# KiCad board Scopefun_v2.kicad_pcb (continued)
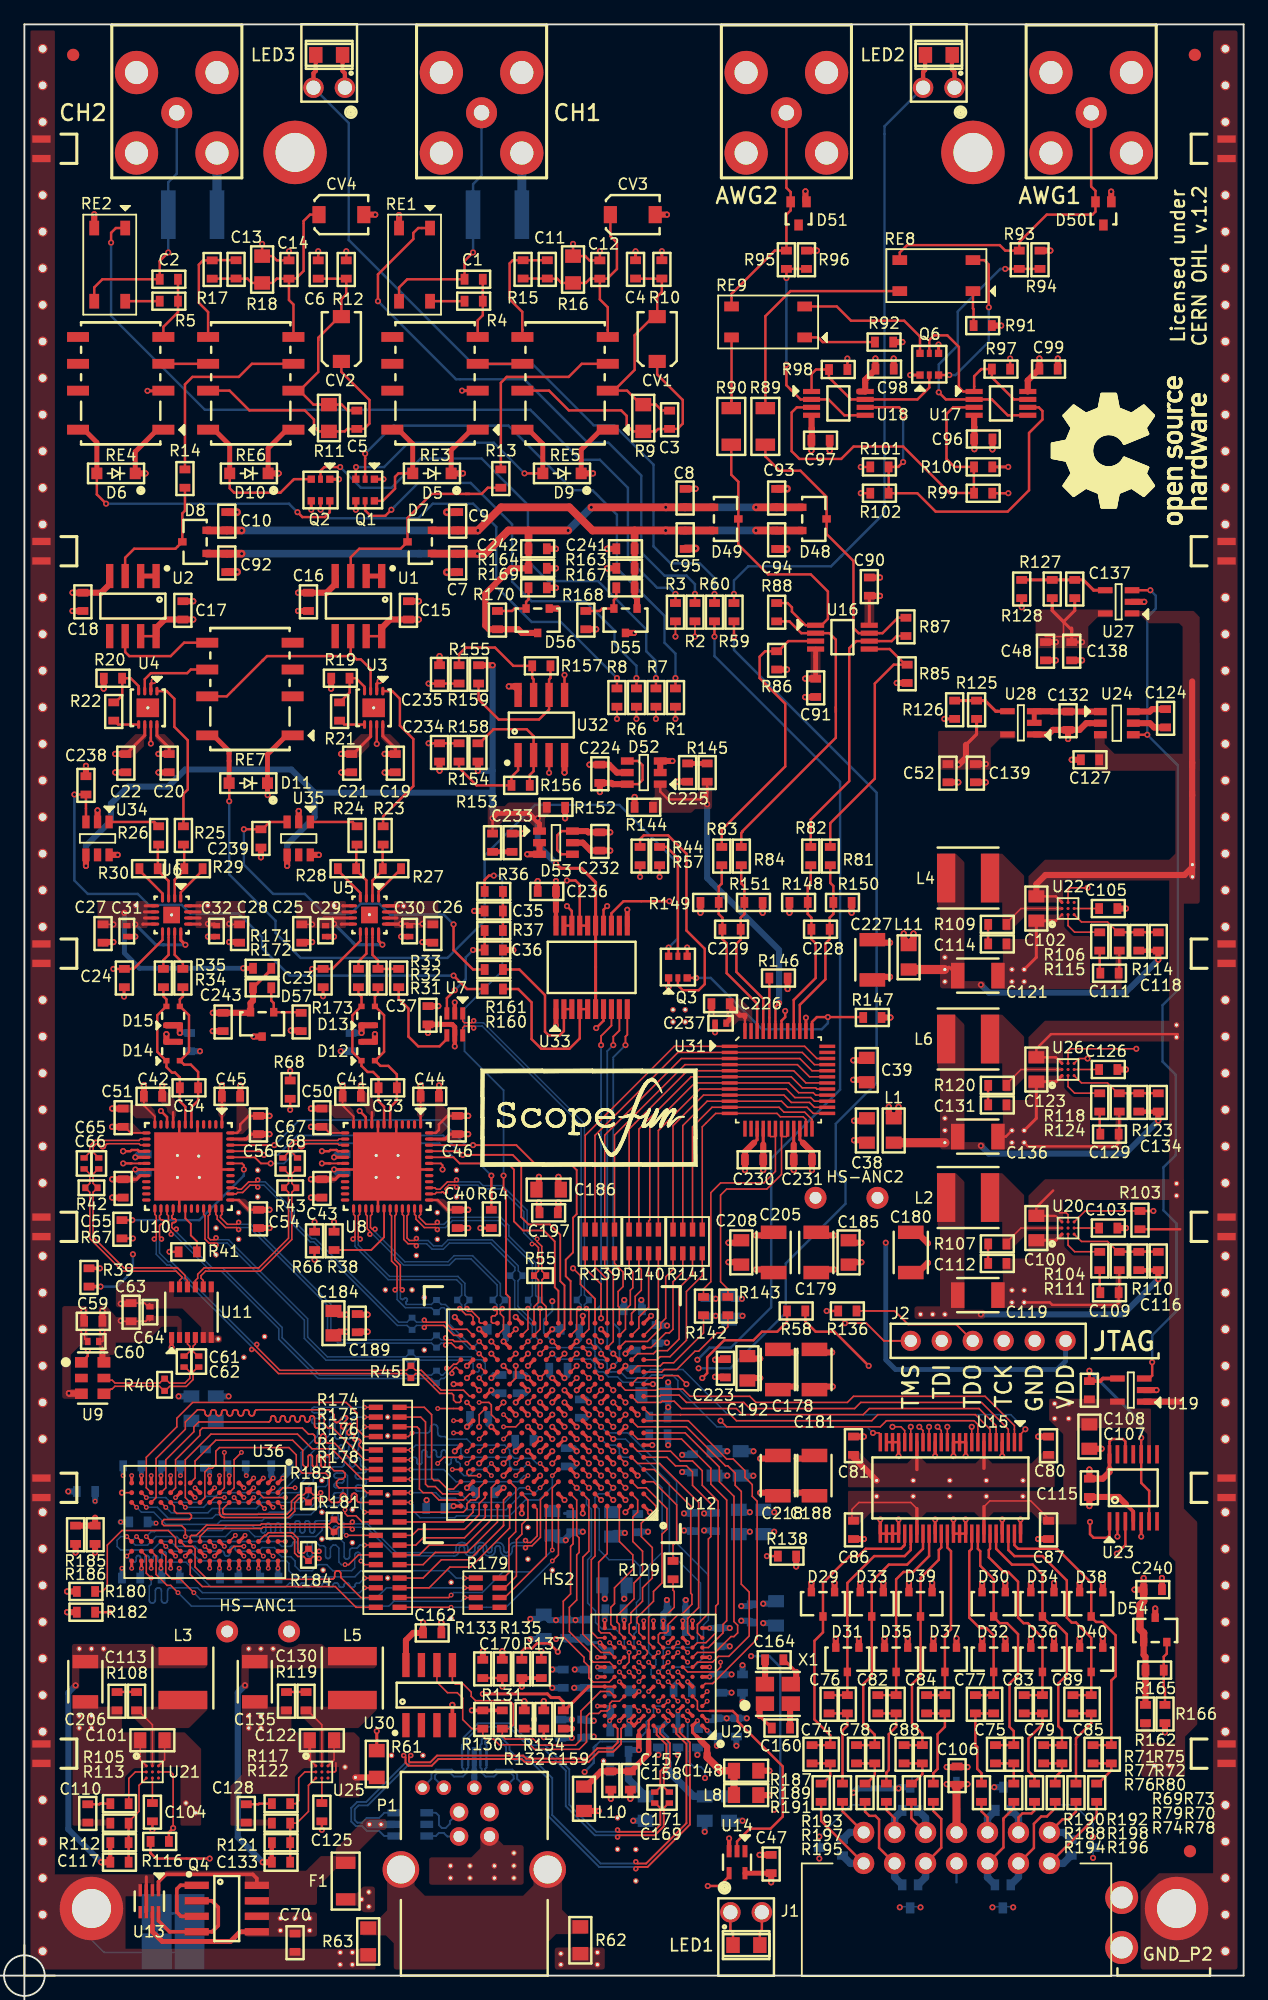
[diagram p0: board, top side]
## Routing (per net, layer and track width the routed paths; a pad name or vN(x,y) marks a point on that pad's centre or on a via; arc(x,y) is an arc through that point) (continued)
fdata[16]: length 18.7
  Top w0.127: U12.E2 50.3,42 52.1,42 55.3,38.8 55.3,30.18 54.42,29.3 54.4,29.3 54.4,28.1 U29.K2
fdata[17]: length 22.3
  Top w0.127: U29.J4 v2(53.6,27.3) ; U12.E6 v1(46.3,42)
  In2.Cu w0.127: v2(53.6,27.3) 53.2,27.7 53.2,28.5 53.5,28.8 53.5,39.3 50.3,42.5 46.8,42.5 v1(46.3,42)
fdata[18]: length 19.3
  Top w0.127: U12.E1 52.7,42.5 53.4,41.8 54.3,41.8 54.8,41.3 54.8,40.2 56.3,38.7 56.3,36 56.1,35.8 56.1,29.7 55.2,28.8 55.2,28.1 U29.K1
fdata[19]: length 23
  Top w0.127: U12.F2 50.3,43 53,43 53.8,42.2 54.8,42.2 55.6,41.4 55.6,40.2 56.9,38.9 56.9,30.5 56.7,30.3 56.7,28.1 55.9,27.3 55.2,27.3 U29.J2
fdata[20]: length 23.2
  Top w0.127: U29.J3 v2(54.4,26.5) ; U12.F4 v1(48.3,43)
  In2.Cu w0.127: v1(48.3,43) 48.6,43 49.1,43.5 50.8,43.5 55.3,39 55.3,28.9 54.8,28.4 54.8,26.9 v2(54.4,26.5)
fdata[21]: length 24.1
  Top w0.127: U12.G2 50.3,44 53.9,44 56.3,41.6 56.3,40.3 57.6,39 57.6,29.1 57.3,28.8 57.3,28.1 56.1,26.9 U29.J1
fdata[22]: length 26.1
  Top w0.127: U29.H2 55.2,26.5 56.66,26.5 57.96,27.8 58.2,27.8 58.5,28.1 58.5,28.73 58.2,29.03 58.2,39.3 57,40.5 57,41.7 54.2,44.5 U12.G1
fdata[23]: length 27.7
  Top w0.127: U12.F5 v1(47.3,43) ; U29.H3 v2(54.4,25.7)
  In2.Cu w0.127: v2(54.4,25.7) 55.6,26.9 55.6,28.6 56.3,29.3 56.3,40 54.3,42 53.3,42 52.1,43.2 52.1,43.6 51.7,44 49,44 48.5,43.5 47.8,43.5 v1(47.3,43)
fdata[24]: length 28.7
  Top w0.127: U12.H5 v1(47.3,45) ; U29.F4 v2(52.8,24.9)
  Bottom w0.127: v1(47.3,45) 47.8,44.5 48.5,44.5 ; 48.5,44.5 48.8,44.5 ; 48.5,44.5 49.5,44.5 53.5,40.5 53.5,35.45 56.1,32.85 56.1,29.15 55.7,28.75 55.7,26.1 54.9,25.3 53.2,25.3 v2(52.8,24.9)
fdata[25]: length 29.8
  Top w0.127: U12.H2 50.3,45 54.3,45 57.5,41.8 57.7,41.8 58.3,41.2 58.3,40.2 58.8,39.7 58.8,32.1 59.45,31.45 59.45,27.85 57.78,26.18 56.92,26.18 56.44,25.7 55.2,25.7 U29.G2
fdata[26]: length 31.2
  Top w0.127: v2(57.1,25.7) 57.1,25.3 56.7,24.9 54.4,24.9 U29.G3 ; U12.J4 v1(48.3,46)
  In2.Cu w0.127: v2(57.1,25.7) 57.1,28.9 57.6,29.4 57.6,40 57.15,40.45 57.15,41.15 53.8,44.5 52.7,44.5 52.2,45 50,45 49.5,45.5 48.8,45.5 v1(48.3,46)
fdata[27]: length 29.2
  Top w0.127: U12.H4 v1(48.3,45) ; U29.F3 v2(53.6,24.9)
  In2.Cu w0.127: v1(48.3,45) 48.8,44.5 51.9,44.5 52.4,44 53.1,44 53.8,43.3 54.2,43.3 56.9,40.6 56.9,29.1 56.7,28.9 56.7,28.1 56.3,27.7 56.3,27 55.6,26.3 55.6,26.1 54.7,25.2 53.9,25.2 v2(53.6,24.9)
fdata[28]: length 26.6
  Top w0.127: v1(48.3,44) U12.G4 ; U29.F5 v2(52,24.9)
  Bottom w0.127: v2(52,24.9) 52.4,25.3 52.4,26.7 52.6,26.9 54.8,26.9 55.2,27.3 55.2,28.75 55.45,29 55.45,32.2 52.9,34.75 52.9,40.4 49.3,44 v1(48.3,44)
fdata[29]: length 30.3
  Top w0.127: U29.E1 55.85,23.95 56.45,23.95 60.1,27.6 60.1,38.9 59.7,39.3 59.7,40.26 59.1,40.86 59.1,41.4 58.14,42.36 57.6,42.36 54.46,45.5 U12.H1
fdata[30]: length 25.2
  Top w0.127: U12.G5 v1(47.3,44) ; U29.E5 v2(52,24.1)
  Bottom w0.127: v1(47.3,44) 47.8,43.5 48.5,43.5 48.8,43.2 48.8,42.8 49.1,42.5 49.8,42.5 52.3,40 52.3,34.7 51.2,33.6 51.2,26.5 51.8,25.9 51.8,25.5 51.4,25.1 51.4,24.7 v2(52,24.1)
fdata[31]: length 34
  Top w0.127: U29.E4 v2(52.8,24.1) ; U12.H3 v1(49.3,46)
  In2.Cu w0.127: v1(49.3,46) 49.65,46 50.15,45.5 54.1,45.5 58.3,41.3 58.3,28.93 58.48,28.75 58.48,26.18 57.2,24.9 55.45,24.9 55.25,24.7 54.2,24.7 54,24.5 53.2,24.5 v2(52.8,24.1)
FLAGA: length 18.4
  Top w0.127: U12.D3 v1(49.3,41) ; U29.G7 v2(50.4,25.7)
  In2.Cu w0.127: v1(49.3,41) 49.3,40.68 49.58,40.4 49.6,40.4 51.8,38.2 51.8,36 51.2,35.4 51.2,31.9 50.9,31.6 50.9,29.8 51.2,29.5 51.2,28.8 50.86,28.46 50.86,26.16 v2(50.4,25.7)
FLAGB: length 21.8
  Top w0.127: U12.E5 v1(47.3,42) ; U29.G6 v2(51.2,25.7)
  In2.Cu w0.127: v2(51.2,25.7) 51.2,26.5 51.5,26.8 51.5,28.3 52,28.8 52,29.5 51.5,30 51.5,31.3 52,31.8 52,35.3 52.4,35.7 52.4,38.6 50.5,40.5 50.1,40.5 49.8,40.8 49.8,41.2 49.5,41.5 47.8,41.5 v1(47.3,42)
FLAGD: length 20.6
  Top w0.127: U29.G5 v2(52.8,25.7) ; U12.E3 v1(49.3,42)
  In2.Cu w0.127: v2(52.8,25.7) 52.4,26.1 52.4,28.4 52.9,28.9 52.9,29.5 52.1,30.3 52.1,31.1 53,32 53,39 50,42 v1(49.3,42)
INIT_B: length 39.8
  Top w0.127: v1(41.3,47) U12.K10 ; v2(54.4,22.5) 54,22.9 U29.D3
  Top w0.2: 42.4,26.55 R137.2
  In2.Cu w0.127: 54.4,22.5 v2(54.4,22.5) 54,22.9 44.9,22.9 43.5,24.3 43.1,24.3 42.7,24.7 42.7,25.7 42.4,26 v1(42.4,26.6) 42.4,30.1 42.7,30.4 42.7,37.4 43.8,38.5 43.8,39.5 44.3,40 44.3,42.7 43.5,43.5 42.1,43.5 41.8,43.8 41.8,46.5 v1(41.3,47)
IOUTA: length 15
  Top w0.2: 57.24,85.8 57.24,85 57.6,84.64 57.6,82.2 60.1,79.7 U31.46 ; 57.2,91.04 57.2,89.55 56.95,89.3 R149.1 56.95,87.05 57.25,86.75 C229.2
IOUTB: length 14.8
  Top w0.2: U31.39 63.6,79.6 65.7,81.7 65.7,84.64 66.06,85 66.06,85.8 ; C228.1 66.05,86.75 66.35,87.05 R150.1 66.35,89.35 66.1,89.6 66.1,91.04
LED[1]: length 19.1
  Top w0.127: U12.L4 v1(48.3,48)
  Top w0.2: v1(55.6,49) 56,49.4 56,50.7 57.4,52.1 59.8,52.1 60.5,52.8 61.75,52.8 62.55,53.6 R58.2
  In2.Cu w0.127: v1(55.6,49) 55.1,49 54.95,49.15 52.5,49.15 52.35,49 51.2,49 50.6,48.4 48.7,48.4 v1(48.3,48)
LED[2]: length 84.8
  Top w0.127: U12.L5 v1(46.3,48)
  Top w0.2: v1(58.2,109.8) R59.2
  In2.Cu w0.127: v1(46.3,48) U12.L5 47.9,48.5 48.1,48.7 50.2,48.7 50.85,49.35 52.05,49.35 52.25,49.55 55.05,49.55 v1(55.3,49.8)
  Bottom w0.2: v1(58.2,109.8) 58.2,108.7 69.9,97 69.9,73.2 66.55,69.85 66.55,65.85 67.35,65.05 67.35,63.3 62.45,58.4 62.45,54.35 57.9,49.8 v1(55.3,49.8)
LED[3]: length 79.9
  Top w0.127: U12.M5 v1(47.3,49)
  Top w0.2: v1(56.6,109.8) R60.2
  In2.Cu w0.127: v1(47.3,49) 49.8,49 50.55,49.75 51.8,49.75 51.95,49.9 54.6,49.9 v1(55.2,50.5)
  Bottom w0.2: v1(55.2,50.5) 56.2,51.5 57.95,51.5 61.25,54.8 61.25,67 66.9,72.65 66.9,97.9 56.6,108.2 v1(56.6,109.8)
PKTEND: length 18.9
  Top w0.127: v2(50.41,26.5) 50.01,26.1 U29.H8 ; U12.C4 v1(48.3,40)
  Bottom w0.127: v1(48.3,40) 47.8,39.5 47.1,39.5 46.8,39.2 46.8,38.6 47.15,38.25 47.15,34.9 47.95,34.1 49.95,34.1 50.5,33.55 50.5,30.9 50.2,30.6 50.2,28.2 50,28 50,26.91 v2(50.41,26.5)
PROG_B: length 45.9
  Top w0.127: v2(56,22.5) U29.C1 ; U12.L9 v1(42.3,48)
  Top w0.2: 61.85,34.4 v1(60.9,34.4)
  In2.Cu w0.127: v1(42.3,48) 42.8,47.5 44.8,47.5 45.8,46.5 50.8,46.5 51.3,46 55.6,46 60.9,40.7 v1(60.9,34.4) 60.9,32.45 61.75,31.6 61.75,26.9 60.1,25.25 60.1,24.75 59.05,23.7 57.2,23.7 v2(56,22.5)
PWR_EN: length 123.1
  Top w0.127: 90.9,113.55 U27.3
  Top w0.2: v1(92.5,50.3) 92.5,49.2 92.26,48.96 U19.3 ; U27.3 v1(92.35,113.6) ; v1(52.9,88.1) 49.14,88.1 48.15,87.11 U33.13 ; v1(92.1,101.75) U24.4
  In2.Cu w0.2: v1(92.1,101.75) 78.45,88.1 v1(52.9,88.1)
  Bottom w0.2: v1(92.5,50.3) 92.5,52.5 94.5,54.5 94.5,61.68 93.42,62.75 93.42,66.28 94.42,67.28 94.42,73.88 93.35,74.95 93.35,79.58 94.6,80.83 94.6,99.25 v1(92.1,101.75) 92.1,111.4 92.8,112.1 92.8,113.15 v1(92.35,113.6)
RE1: length 27.7
  Top w0.127: 4.9,126.77 RE4.8 4.9,126.77
  Top w0.2: Q2.6 25.05,120 24.65,119.6 22.8,119.6 v1(22.4,120) ; D6.2 5.94,121.46 v1(6.7,120.7)
  Top w0.4: 4.9,126.77 5.94,125.72 D6.2
  Bottom w0.2: v1(6.7,120.7) 21.7,120.7 v1(22.4,120)
RE2: length 13.2
  Top w0.127: RE6.8 15.57,126.77 ; 16.8,123.22 D10.2
  Top w0.2: Q2.3 22.11,122.71 21,121.6 17.2,121.6 16.84,121.96 D10.2
  Top w0.4: 15.57,126.77 16.84,125.49 D10.2
RE3: length 9.7
  Top w0.127: 30.68,126.77 RE3.8 30.68,126.77
  Top w0.2: Q1.6 29.4,120.93 30.4,121.93 30.4,122.9 30.68,123.18 D5.2
  Top w0.4: D5.2 31.85,125.6 30.68,126.77
RE4: length 22.8
  Top w0.127: 42.48,123.22 D9.2 ; RE5.8 41.35,126.77
  Top w0.2: D9.2 v1(41.02,123.18) ; Q1.3 27.18,123.68 v1(27.2,123.7)
  Top w0.4: D9.2 42.52,125.6 41.35,126.77
  Bottom w0.2: v1(27.2,123.7) 29.5,123.7 31.5,125.7 38.5,125.7 v1(41.02,123.18)
RE7: length 70.9
  Top w0.2: v1(16.8,96.3) 16.8,97.77 D11.2 ; Q3.6 v1(52.84,84.3) 52.84,84.3
  Top w0.4: D11.2 16.79,100.41 15.5,101.7 RE7.8
  Bottom w0.2: v1(52.84,84.3) 53.6,85.06 53.6,91.2 48.8,96 41.9,96 37.75,91.85 37.75,86.5 34.7,83.45 22.65,83.45 20.6,85.5 20.6,86.5 16.8,90.3 v1(16.8,96.3)
SLCS: length 14.4
  Top w0.127: U29.K8 49.6,28.1 49.6,28.8 49.75,28.95 49.75,29.75 50.7,30.7 50.7,31.8 51.5,32.6 51.5,35.1 50.6,36 50.6,37.1 51,37.5 51.6,37.5 51.8,37.7 51.8,38.5 U12.B1
SLOE_SLRD: length 15.7
  Top w0.127: U29.H7 51.1,26.4 51.1,26.6 U29.J7 v2(50.4,27.3) ; U12.C3 v1(49.3,40)
  In2.Cu w0.127: v2(50.4,27.3) 50.4,27.8 50.35,27.85 50.35,32.05 50.6,32.3 50.6,36 50.5,36.1 50.5,38.8 v1(49.3,40)
SLWR: length 15.7
  Top w0.127: U29.K7 50.4,28.1 50.4,28.8 50.25,28.95 50.25,29.35 51.6,30.7 51.6,31.5 52.3,32.2 52.3,36.2 52.7,36.6 52.7,38.3 52.3,38.7 52.3,38.71 52.1,38.9 51,40 50.3,40 U12.C2
SPI_MOSI: length 41.1
  Top w0.127: U12.J14 37.3,46 v1(37.3,45) ; U29.D5 v2(52,22.5)
  In2.Cu w0.127: v2(52,22.5) 48.2,22.5 48.19,22.49 46.64,22.49 46.4,22.25 43.65,22.25 42.55,23.35 42.55,24 42.15,24.4 42.15,25.2 40.9,26.45 40.9,29.6 42.25,30.95 42.25,37.95 43.3,39 43.3,40 43.8,40.5 43.8,42.2 43.5,42.5 41.1,42.5 40.8,42.8 40.8,43.2 40.5,43.5 38.48,43.5 37.3,44.68 v1(37.3,45)
SPI_SCK: length 35.3
  Top w0.127: v2(53.6,22.5) 53.2,22.9 U29.D4 ; v1(43.3,42) U12.E8
  In2.Cu w0.127: v2(53.6,22.5) 53.38,22.28 53.38,22.28 53.2,22.1 48.5,22.1 48,21.6 42.45,21.6 41.8,22.25 41.8,23.95 40.3,25.45 40.3,29.9 41.8,31.4 41.8,38.5 42.8,39.5 42.8,41.5 v1(43.3,42)
TCK: length 41
  Top w0.127: U12.L7 v1(45.3,49)
  In2.Cu w0.127: v1(45.3,49) 45.8,49.5 45.8,51.2 46.1,51.5 46.5,51.5 46.8,51.8 46.8,52.2 47.1,52.5 47.8,52.5 48.5,53.2 51.7,53.2 52.3,53.8 53.5,53.8 54,53.3 60.9,53.3 62.1,52.1 70.12,52.1 71.8,50.43 78.69,50.43 J2.4
TDI: length 34.9
  Top w0.127: U12.N7 v1(45.3,51)
  In2.Cu w0.127: J2.2 73.81,53.47 70.89,53.47 70.25,52.84 62.46,52.84 61.2,54.1 60,54.1 59.5,54.6 54.8,54.6 54.6,54.4 52,54.4 51.8,54.6 51.2,54.6 51,54.4 46.9,54.4 45.8,53.3 45.8,51.8 45.3,51.3 v1(45.3,51)
TDO: length 10.5
  Top w0.15: R136.1 71.38,54.5 72.48,53.4 76.43,53.4 J2.3
TMS: length 35.3
  Top w0.127: U12.M7 v1(45.3,50)
  Top w0.15: J2.1 70.5,52.05 69.05,53.5 v1(67.3,53.5)
  In2.Cu w0.127: 67.15,53.5 62.8,53.5 61.3,55 54.7,55 54.6,55.1 51.1,55.1 50.9,54.9 48.9,54.9 48.5,55.3 45.4,55.3 44.8,54.7 44.8,50.5 v1(45.3,50)
  In2.Cu w0.15: 67.08,53.5 v1(67.3,53.5)
U3RX+: length 40.3
  Top w0.155: U29.A4 53.46,20.24 53.46,19.84 54.3,19 54.3,12.5 50.99,9.19 50.3,9.19 v3(50.15,9.34)
  Bottom w0.155: v3(50.15,9.34) 50,9.19 47.26,9.19 43.29,13.16 43.29,16.21 41.56,17.94 40.34,17.94 39.79,18.49 39.79,18.86 38.93,19.72 37.87,19.72 37.51,19.36 37.51,19.02 37.4,18.91 D17.4 D17.7 37.4,17.06 37.51,16.95 37.51,16.64 37.83,16.32 38.52,16.32 38.81,16.61 39.91,16.61 40.13,16.38 40.13,16.14 P1.8
U3RX-: length 40.5
  Top w0.155: v3(50.15,8.76) 50.3,8.91 51.11,8.91 54.58,12.38 54.58,19.12 53.74,19.96 53.74,20.24 U29.A3
  Bottom w0.155: D17.5 37.9,18.91 37.79,19.02 37.79,19.21 38.02,19.43 38.82,19.43 39.51,18.74 39.51,18.38 40.23,17.66 41.44,17.66 43.01,16.09 43.01,13.04 47.14,8.91 50,8.91 v3(50.15,8.76) ; D17.5 D17.6 37.9,17.06 37.79,16.95 37.79,16.76 37.95,16.6 38.4,16.6 38.69,16.89 40.02,16.89 40.42,16.5 40.42,16.14 P1.9 ; D17.5 37.9,18.64
U3TX+: length 31.6
  Top w0.155: C169.1 52.85,14.15 52.44,13.74 52.44,12.24 51.71,11.51 48.8,11.51 v3(48.65,11.36)
  Bottom w0.155: P1.6 33.67,16.14 33.67,16.42 33.86,16.61 34.94,16.61 35.23,16.32 35.97,16.32 36.29,16.65 36.29,16.95 36.4,17.06 D17.9 D17.2 36.4,18.91 36.29,19.02 36.29,19.39 37.31,20.41 39.74,20.41 41.54,18.61 42.59,18.61 44.41,16.79 44.41,13.89 46.79,11.51 48.5,11.51 v3(48.65,11.36)
U3TX-: length 31.6
  Top w0.155: v3(48.65,11.94) 48.8,11.79 51.59,11.79 52.16,12.36 52.16,13.74 51.75,14.15 C171.1
  Bottom w0.155: P1.5 33.38,16.14 33.38,16.53 33.74,16.89 35.06,16.89 35.34,16.61 35.85,16.61 36.01,16.76 36.01,16.95 35.9,17.06 D17.10 D17.1 35.9,18.91 36.01,19.02 36.01,19.51 37.19,20.69 39.86,20.69 41.66,18.89 42.71,18.89 44.69,16.91 44.69,14.01 46.91,11.79 48.5,11.79 v3(48.65,11.94)
V_OV: length 32.8
  Top w0.127: 77.86,121.57 77.88,121.56
  Top w0.2: 77.88,121.56 77.88,123.72 76.28,123.72 75.63,124.37 75.63,128.05 76.18,128.6 U17.3 ; 77.6,121.57 75.89,121.57 72.08,125.38 68.01,125.38 67,124.37 63.57,124.37 62.93,125 62.93,128.18 63.35,128.6 U18.3
V_UV: length 32.1
  Top w0.2: U17.6 83.2,128.6 83.5,128.3 83.5,127.6 82.4,126.5 82.4,121.8 80.65,120.05 74.74,120.05 73.24,121.56 70.89,121.56 70.89,123.72 71.68,123.72 v1(72.08,124.11) ; U18.6 69.86,128.6 69.87,128.6 71.75,128.6 72.08,128.28 v1(72.08,127.92)
  Bottom w0.2: v1(72.08,124.11) v1(72.08,127.92)
Va: length 131.4
  Top w0.127: 85.23,111.01 85.23,109.8 86.69,109.8 ; 10.9,126.77 RE4.1 10.85,126.77 ; 69.41,113.14 69.41,113.14 ; RE5.1 47.3,126.77 ; RE6.1 21.52,126.77 ; 82.3,129.9 U17.8 81.8,129.9 ; 36.68,126.77 RE3.1 36.63,126.77 ; 85.18,109.8 83.72,109.8
  Top w0.13: C27.2 v1(7.3,86.2) ; C25.1 v1(23.6,86.2)
  Top w0.2: D52.6 50.35,97.7 50.7,98.05 50.7,99.25 50.35,99.6 D52.4 ; 79.4,121.56 v1(80.7,121.56) ; R97.1 v1(80.85,132.6) ; U1.7 U1.8 ; D53.4 44.05,91.95 43.7,92.3 43.7,93.5 44.05,93.85 D53.6 ; U2.7 U2.8 ; R98.1 v1(67.5,132.6) ; 69.8,131.74 C98.1
  Top w0.25: U6.5 9.91,87.72 ; U4.8 10.87,101.68 11.88,100.67 11.88,100.18 ; 84.3,111.94 85.23,111.01 86.15,111.93 C137.1 ; 84.3,111.94 85.9,110.34 C138.1 v1(86.75,109.35) ; 84.3,111.94 R127.1 ; U6.6 9.85,87.22 ; U5.7 24.57,86.72 ; U3.8 29.4,101.65 30.43,100.62 30.43,100.18 ; U16.8 69.3,110.74 C90.1 ; v1(29.36,84.53) 29.05,84.85 U5.12 ; U5.5 26.13,87.72 26.12,87.73 ; 25.99,86.21 26.01,86.22 U5.8 ; 85.9,110.5 85.9,109.8 ; U6.7 9.85,86.72 ; U5.6 26.12,87.22 ; v1(13.21,84.53) 12.83,84.91 U6.12 ; U6.8 9.73,86.22 9.72,86.21
  Top w0.4: 21.52,126.77 19.99,125.24 D10.1 ; D6.1 9.09,124.96 10.9,126.77 ; 47.3,126.77 45.67,125.13 D9.1 ; D5.1 35,125.09 36.68,126.77 ; RE7.1 21.5,101.7 19.94,100.14 D11.1 19.94,96.81 v1(19.95,96.8) ; v1(17.95,82.6) R171.2
  Top w0.5: D52.6 48.24,97.7 48.14,97.8 C224.1 v1(47.2,97.05) ; D53.6 46.16,93.85 46.26,93.75 C232.1 v1(48.05,93.75) ; C15.2 30,111.2 29.3,110.51 U1.8 ; 40.49,105.72 40.2,105.72 ; 40.2,105.72 40.49,105.42 U32.8 ; 40.2,105.72 v1(39.73,105.72) ; 67.51,131.69 R98.1 ; C98.1 69.8,131.7 68.96,130.86 U18.8 68.48,129.9 ; U2.8 10.8,110.51 11.5,111.2 C17.2 ; 11.89,100.18 v1(11,100.18) ; 30.46,100.18 v1(29.55,100.18) ; v1(72.01,133.95) R92.2 ; 13.15,111.2 v1(13.85,111.2) ; 31.65,111.2 v1(32.35,111.2) ; 69.41,113.14 v1(70.18,113.14) ; 48.45,115.4 v1(47.8,115.4) ; U35.6 v1(24.15,91.9) ; v1(69.8,132.6) 69.8,131.74 ; D5.1 v1(35.97,123.18) ; D10.1 v1(20.86,123.18) ; D9.1 v1(46.64,123.18) ; C48.1 v1(84.6,109.35) ; D6.1 v1(9.93,123.18) ; U17.8 82.3,130.8 83.23,131.73 C99.1 v1(83.25,132.6) ; U34.6 v1(7.65,91.9) ; v1(80.11,135.3) 79.4,135.3
  Bottom w0.25: v1(9.1,86.2) 10.77,84.53 11.4,84.53 ; v1(13.21,84.53) 11.4,84.53 ; 11.4,84.53 11.4,84.53 ; v1(29.36,84.53) 27.12,84.53 26.95,84.7 ; 26.95,84.7 v1(25.4,86.25) ; 26.95,84.7 27.07,84.58
  Bottom w0.4: v1(8.2,87.15) 8.2,83.85 9.45,82.6 v1(17.95,82.6)
XTALI: length 16.4
  Top w0.127: 62.8,23.96 X1.3 ; v2(52,21.7) U29.C6
  Top w0.25: C164.1 62.3,25.9 ; 62.3,25.9 62.2,25.9 ; 62.3,25.9 v1(63.3,24.9)
  Top w0.5: X1.3 63.3,24.34 v1(63.3,24.9)
  In2.Cu w0.127: v1(63.3,24.9) 60.9,22.5 59.7,22.5 58.8,21.6 55.9,21.6 55.6,21.3 52.4,21.3 v2(52,21.7)
XTALO: length 13.2
  Top w0.127: 60.7,22.26 X1.1 ; v2(51.2,21.7) U29.C7
  Top w0.25: 61.3,20.4 C160.1 v1(60.3,21.3) ; 60.3,21.86 X1.1
  Top w0.5: v1(60.3,21.3) 60.3,21.86
  In2.Cu w0.127: v2(51.2,21.7) 52.4,20.5 59.5,20.5 v1(60.3,21.3)
~{IOUTA}: length 14.9
  Top w0.2: 58.76,85.8 58.76,84.96 58.4,84.6 58.4,82.3 60.6,80.1 U31.45 ; C229.1 58.75,86.75 59.05,87.05 R151.1 59.05,89.3 58.8,89.55 58.8,91.04
~{IOUTB}: length 14.7
  Top w0.2: 64.54,85.8 64.54,85 64.9,84.64 64.9,81.8 63.1,80 U31.40 ; 64.5,91.04 64.5,89.6 64.25,89.35 R148.1 64.25,87.05 64.55,86.75 C228.2
Net-(AWG1-In): length 27.1
  Top w0.2: RE8.3 71.8,141.3 72.4,141.9 80,141.9 80.45,141.45 R93.1 81.6,142.15 83.85,144.4 87.6,144.4 87.85,144.65 D50.2 87.85,146.35 87.5,146.7 AWG1.1
Net-(AWG2-In): length 18.7
  Top w0.2: RE9.3 58,137.9 61.55,141.45 R95.1 62.5,144.4 62.85,144.75 D51.2 ; D51.2 62.85,146.25 62.5,146.6 AWG2.1 ; D51.2 62.8,145.5
Net-(C1-Pad1): length 4.9
  Top w0.2: RE3.4 37.18,135.73 37.6,136.15 R4.1 C1.1
Net-(C2-Pad1): length 6.2
  Top w0.127: 11.9,134.37 RE4.4 10.9,134.37
  Top w0.2: C2.1 R5.1 12.6,136.4 11.4,135.2 RE4.4
Net-(C3-Pad1): length 21.2
  Top w0.2: RE5.7 43.03,129.97 44.65,128.35 48.95,128.35 49.4,127.9 49.4,127.13 49.91,126.62 R9.1 51.77,126.62 51.97,126.82 52.92,126.82 ; C3.1 53.57,126.83 54,127.27 54,129.2 51.9,131.3 CV1.1
Net-(C3-Pad2): length 19.3
  Top w0.127: 51.91,136.28 51.83,136.28 ; 48.35,129.97 RE5.2
  Top w0.2: RE5.2 49.43,129.97 50.58,128.82 R9.2 51.8,128.82 52.28,128.34 52.92,128.34 ; R10.1 52.29,138.06 51.91,137.67 51.91,136.28 ; 51.83,136.28 50.05,134.5 50.05,131.67 48.35,129.97 ; 52.29,139.15 50.13,139.15
Net-(C5-Pad1): length 21.3
  Top w0.2: CV2.1 26,131.5 28.3,129.2 28.3,127.27 27.87,126.83 C5.1 ; RE6.7 16.83,129.97 18.45,128.35 23,128.35 23.75,127.6 23.75,127 24.13,126.62 R11.1 26.27,126.62 26.47,126.82 27.27,126.82
Net-(C5-Pad2): length 19.2
  Top w0.127: 22.57,129.97 RE6.2 22.05,129.95 ; 26.12,136.28 26.03,136.28
  Top w0.2: 27.27,128.34 26.51,128.34 26.03,128.82 R11.2 23.71,128.82 22.57,129.97 24.1,131.5 24.1,134.1 ; 24.1,134.2 24.1,134.1 ; 24.1,134.1 24.1,134.3 25.84,136.04 CV2.2 26,137.47 26.4,137.87 R12.1 ; 24.09,139.15 26.38,139.15
Net-(C11-Pad1): length 9.7
  Top w0.2: C11.1 R15.1 40.06,140.66 39.8,140.4 39.8,137.46 40.83,136.43 40.83,134.98 40.85,134.97 RE5.5
Net-(C11-Pad2): length 19
  Top w0.127: 44.72,139.15 45.05,138.82 45.37,139.15
  Top w0.2: RE5.4 47.85,134.97 47.85,134.97 47.85,136.8 47.2,137.45 C12.1 47.81,139.15 48.6,139.94 48.6,142.1 48.06,142.64 CV3.1 ; 42.89,139.15 43.7,139.15 44.05,138.8 R16.1 46.05,138.8 46.4,139.15 47.21,139.15 ; C11.2 R15.2
Net-(C13-Pad1): length 9.8
  Top w0.2: 15.08,140.67 17.36,140.67 ; RE6.5 15.07,136.41 14.31,137.17 14.31,140.3 14.66,140.65 R17.1
Net-(C13-Pad2): length 19.6
  Top w0.127: 19.85,139.15 19.52,138.82 19.19,139.15
  Top w0.2: C13.2 17.35,139.15 R17.2 ; CV4.1 23.42,144.4 22.9,143.88 22.9,139.78 22.29,139.17 21.68,139.17 ; C14.1 21.7,137.4 22.07,137.03 RE6.4 ; 24.16,144.5 24.16,144.34 ; 21.68,139.15 20.7,139.15 20.35,138.8 R18.1 18.65,138.8 18.3,139.15 17.36,139.15
Net-(C35-Pad1): length 3.2
  Top w0.2: R37.2 C35.1 39.25,87.3 R36.1
Net-(C74-Pad1): length 3.5
  Top w0.2: R187.1 65.48,15.75 66.1,16.37 R69.1 C74.1
Net-(C75-Pad1): length 3.2
  Top w0.2: C75.1 R70.1 R188.1
Net-(C76-Pad1): length 7.4
  Top w0.2: R189.1 67.1,20.1 67.5,20.5 R71.1 C76.1
Net-(C77-Pad1): length 7.5
  Top w0.2: R72.1 C77.1 78,18.9 78.15,18.75 78.15,16.95 78.5,16.6 R190.1
Net-(C78-Pad1): length 3.6
  Top w0.2: C78.1 R73.1 69.75,16.42 69.08,15.75 R191.1
Net-(C79-Pad1): length 3.4
  Top w0.2: C79.1 R74.1 85.1,16.82 84.55,16.27 R192.1
Net-(C82-Pad1): length 7.6
  Top w0.2: C82.1 R75.1 71.5,20.4 70.9,19.8 70.9,16.85 70.7,16.65 R193.1
Net-(C83-Pad1): length 7.9
  Top w0.2: C83.1 R76.1 83.5,20.6 82.35,19.45 82.35,16.77 82.85,16.27 R194.1
Net-(C84-Pad1): length 7.6
  Top w0.2: C84.1 R77.1 75.5,20.4 74.9,19.8 74.9,16.95 74.55,16.6 R195.1
Net-(C85-Pad1): length 3.7
  Top w0.2: C85.1 R78.1 89.15,16.82 88.08,15.75 R196.1
Net-(C88-Pad1): length 3.6
  Top w0.2: R197.1 72.88,15.75 73.65,16.52 R79.1 C88.1
Net-(C89-Pad1): length 7.8
  Top w0.2: R198.1 86.25,19.45 87.5,20.7 R80.1 C89.1
Net-(C109-Pad1): length 2.2
  Top w0.127: 88.2,56.34 88.24,56.3
  Top w0.2: 88.2,56.6 88.2,56.34 ; 88.2,56.6 88.2,56.05 C109.1 ; 88.2,56.6 88.2,57.84
Net-(C110-Pad1): length 1.9
  Top w0.127: 5.54,14.1 5.5,14.06
  Top w0.2: C110.1 6.15,14.05 6.2,14.1 7.04,14.1
Net-(C111-Pad1): length 1.9
  Top w0.127: 88.2,82.54 88.24,82.5
  Top w0.2: C111.1 88.2,82.25 R106.1
Net-(C112-Pad1): length 1.6
  Top w0.2: 79.04,58.4 79.04,60
Net-(C113-Pad1): length 1.6
  Top w0.2: 7.6,23.26 9.2,23.26
Net-(C114-Pad1): length 1.6
  Top w0.2: 79.04,84.6 79.04,86.2
Net-(C128-Pad1): length 2.1
  Top w0.2: C128.1 19.2,14.05 19.25,14.1 R117.1
Net-(C129-Pad1): length 1.6
  Top w0.127: 88.2,69.34 88.24,69.3
  Top w0.2: 88.2,70.84 88.2,69.34
Net-(C130-Pad1): length 1.6
  Top w0.2: 21.5,23.26 23.1,23.26
Net-(C131-Pad1): length 1.6
  Top w0.2: 79.04,71.4 79.04,73
Net-(C225-Pad1): length 1.6
  Top w0.4: C225.1 R145.2
Net-(C233-Pad1): length 1.6
  Top w0.4: R153.2 C233.1
Net-(CH1-In): length 21
  Top w0.2: RE1.3 30.73,138.43 31.4,139.1 36.04,139.1 ; v1(36.8,141.3) 36.1,140.6 C1.2
  Bottom w0.2: 37.5,152.75 CH1.1 37.5,147.6 36.8,146.9 GDT1.1 v1(36.8,141.3)
Net-(CH2-In): length 21
  Top w0.2: 11.04,139.1 6.4,139.1 5.73,138.43 RE2.3 ; C2.2 11.1,140.6 v1(11.8,141.3)
  Bottom w0.2: 12.5,152.75 CH2.1 12.5,147.75 11.8,147.05 GDT2.1 v1(11.8,141.3)
Net-(D48-Pad3): length 24.1
  Top w0.2: 60.77,125.59 60.77,124.58 61.95,123.4 63.65,123.4 65.8,121.25 D48.3 65.8,118.2 68,116 68,110.5 68.42,110.08 U16.7 70.38,110.08 71.65,111.35 R87.2
Net-(D49-Pad3): length 25
  Top w0.127: 65.38,110.73 U16.1
  Top w0.2: 57.98,125.59 57.98,123.07 58.56,122.49 D49.3 58.56,117.34 61,114.9 64.5,114.9 65.9,113.5 65.9,111.25 65.38,110.73 ; U16.1 64.07,110.73 62.95,111.85 62.95,112.2 62.6,112.55 R88.2
Net-(D54-REF): length 5.3
  Top w0.2: D54.2 93.7,26.4 93.45,26.15 R165.2 93.45,23.65 93.55,23.55 R166.1
Net-(D55-REF): length 4.2
  Top w0.2: R168.1 47.2,111.9 47.4,112.1 D55.2 48.35,112.8 48.55,113 R167.2
Net-(D56-REF): length 4.2
  Top w0.2: R170.1 40,111.9 40.2,112.1 D56.2 41.15,112.65 41.35,112.85 R169.2
Net-(D57-REF): length 4.4
  Top w0.2: R173.1 22.65,79 D57.1 20.45,79.75 20.25,79.95 R172.2
Net-(LED1-Pad2): length 79.4
  Top w0.2: 60.32,2.5 60.32,3.57 60.49,3.74 SLP1.2 ; v1(69.25,50) 66.45,52.8 64.9,52.8 64.05,53.65 64.05,54.5
  In2.Cu w0.2: SLP1.2 62.19,5.19 63.7,6.7 63.7,13.3 65.2,14.8 65.2,26.7 62.6,29.3 62.6,37.5 66.6,41.5 77.5,41.5 78.9,42.9 78.9,45.7 75.7,48.9 70.35,48.9 v1(69.25,50)
Net-(LED2-Pad2): length 55.6
  Top w0.2: 58.2,112.6 v1(58.2,113.3)
  Top w0.35: SLP2.2 73.71,156.09 73.88,156.26 73.88,157.58
  Bottom w0.2: 67,116.4 66.16,115.56 59.36,115.56 58.2,114.4 v1(58.2,113.3) ; 67,116.4 66.93,116.33 ; 67,116.4 70.55,119.95 70.55,151.65 SLP2.2
Net-(LED3-Pad2): length 63.9
  Top w0.2: 56.6,112.55 v1(56.6,113.3)
  Top w0.35: 23.9,157.5 23.9,156.18 23.71,155.99 SLP3.2
  Bottom w0.2: v1(56.6,113.3) 56.6,114.6 55.4,115.8 53,115.8 51.6,117.2 51.6,123.9 48.38,127.12 46.7,127.12 41.7,132.12 36.8,132.12 26.6,142.32 26.6,151.92 SLP3.2
Net-(Q1-G1): length 43
  Top w0.2: Q1.2 27.95,124.4 27.95,124.4 v1(27.95,124.8) ; R1.2 v1(53.4,106.4)
  Bottom w0.2: v1(53.4,106.4) 53.4,108.4 52.5,109.3 52.5,111.5 48.6,115.4 48.6,119.8 46.6,121.8 45,121.8 39.7,127.1 30.25,127.1 v1(27.95,124.8)
Net-(Q1-G2): length 35.8
  Top w0.2: Q1.5 27.95,120.15 28.4,119.7 29.6,119.7 v1(30.1,120.2) ; R6.1 v1(50.2,106.4)
  Bottom w0.2: v1(50.2,106.4) 50.2,107.4 48.4,109.2 48.4,110.3 46,112.7 41.6,112.7 40,114.3 40,119 36.6,122.4 32.3,122.4 v1(30.1,120.2)
Net-(Q2-G1): length 42.9
  Top w0.2: v1(25.9,123.7) 24.6,123.7 24.29,123.39 Q2.2 ; R7.2 v1(51.8,106.4)
  Bottom w0.2: v1(51.8,106.4) 51.8,107.8 51,108.6 51,110.4 47.05,114.35 42.95,114.35 41.3,116 41.3,120.6 37.5,124.4 32.5,124.4 30.1,122 27.6,122 v1(25.9,123.7)
Net-(Q2-G2): length 35.5
  Top w0.2: Q2.5 v1(24.29,120.2) ; R8.1 v1(48.6,106.4)
  Bottom w0.2: v1(48.6,106.4) 44,111 41.6,111 38.7,113.9 38.7,118.8 36.8,120.7 33.5,120.7 32.3,119.5 24.99,119.5 v1(24.29,120.2)
Net-(Q3-G1): length 19.7
  Top w0.2: Q3.2 53.6,81.2 54,80.8 55.3,80.8 55.8,81.3 55.8,84.2 54.3,85.7 54.3,92 52.8,93.5 50.8,93.5 50.5,93.2 R44.2
Net-(Q3-G2): length 9.9
  Top w0.2: R57.1 52.67,92.55 53.6,91.62 Q3.5
Net-(Q4-G1): length 9.7
  Top w0.3: U13.8 11,4.5 11.91,3.59 Q4.4 15.4,3.59 15.4,3.6 15.9,4.1 15.9,5.6 15.4,6.1 15.4,6.14 14.13,6.14
Net-(Q4-S1): length 5.4
  Top w0.3: Q4.3 12.84,4.87 12.5,5.2 12.5,7.1 12.8,7.41 Q4.1
Net-(R2-Pad2): length 49.2
  Top w0.2: v1(29,137.3) 29,139.5 31.9,142.4 31.9,142.9 32.3,143.3 RE1.1 ; R2.2 v1(55,113.3)
  Bottom w0.2: v1(55,113.3) 55,114.1 54.3,114.8 52.5,114.8 50.6,116.7 50.6,123 47.9,125.7 46.2,125.7 41,130.9 35.4,130.9 v1(29,137.3)
Net-(R3-Pad2): length 68
  Top w0.2: R3.2 v1(53.4,113.3) ; RE2.1 7.5,143.3 7.11,142.91 v1(7.11,142.11)
  Bottom w0.2: v1(7.11,142.11) 7.11,136.11 7.1,136.1 14.8,128.4 41.5,128.4 45.6,124.3 47.2,124.3 49.5,122 49.5,116.2 51.9,113.8 52.9,113.8 v1(53.4,113.3)
Net-(R4-Pad2): length 2.8
  Top w0.2: RE1.4 33.27,137.3 R4.2
Net-(R5-Pad2): length 2.8
  Top w0.2: RE2.4 8.27,137.3 11.04,137.3
Net-(R13-Pad1): length 16.5
  Top w0.2: RE5.3 45.72,132.17 44.64,131.09 39.56,131.09 39.08,130.61 39.08,123.52
Net-(R14-Pad1): length 16.6
  Top w0.2: R14.1 13.17,130.48 13.78,131.09 17.59,131.09 18.67,132.17 RE6.3
Net-(R38-Pad1): length 6.9
  Top w0.15: U8.30 29.5,60.55 28.45,59.5 25.4,59.5
Net-(R41-Pad1): length 3.9
  Top w0.15: U10.30 13.2,62.1 13.65,61.65 13.65,60.7 14.15,60.2 14.15,59.35
Net-(R66-Pad1): length 16.8
  Top w0.15: v1(34.3,66.1) 34.3,66.45 34.15,66.6 U8.43
  Top w0.2: v1(23.8,58.7) 23.8,59.5
  In2.Cu w0.2: v1(34.3,66.1) 34.3,64.5 28.5,58.7 v1(23.8,58.7)
Net-(R67-Pad1): length 13.5
  Top w0.15: U10.43 17.85,66.6 18,66.45 v1(18,66.1)
  Top w0.2: 8,61.95 v1(8.85,61.95)
  Bottom w0.2: v1(18,66.1) 18,65.6 14.35,61.95 v1(8.85,61.95)
